# Altium PCB PCB-Tester-Board-V1.PcbDoc (part 3 of 7) (continued)
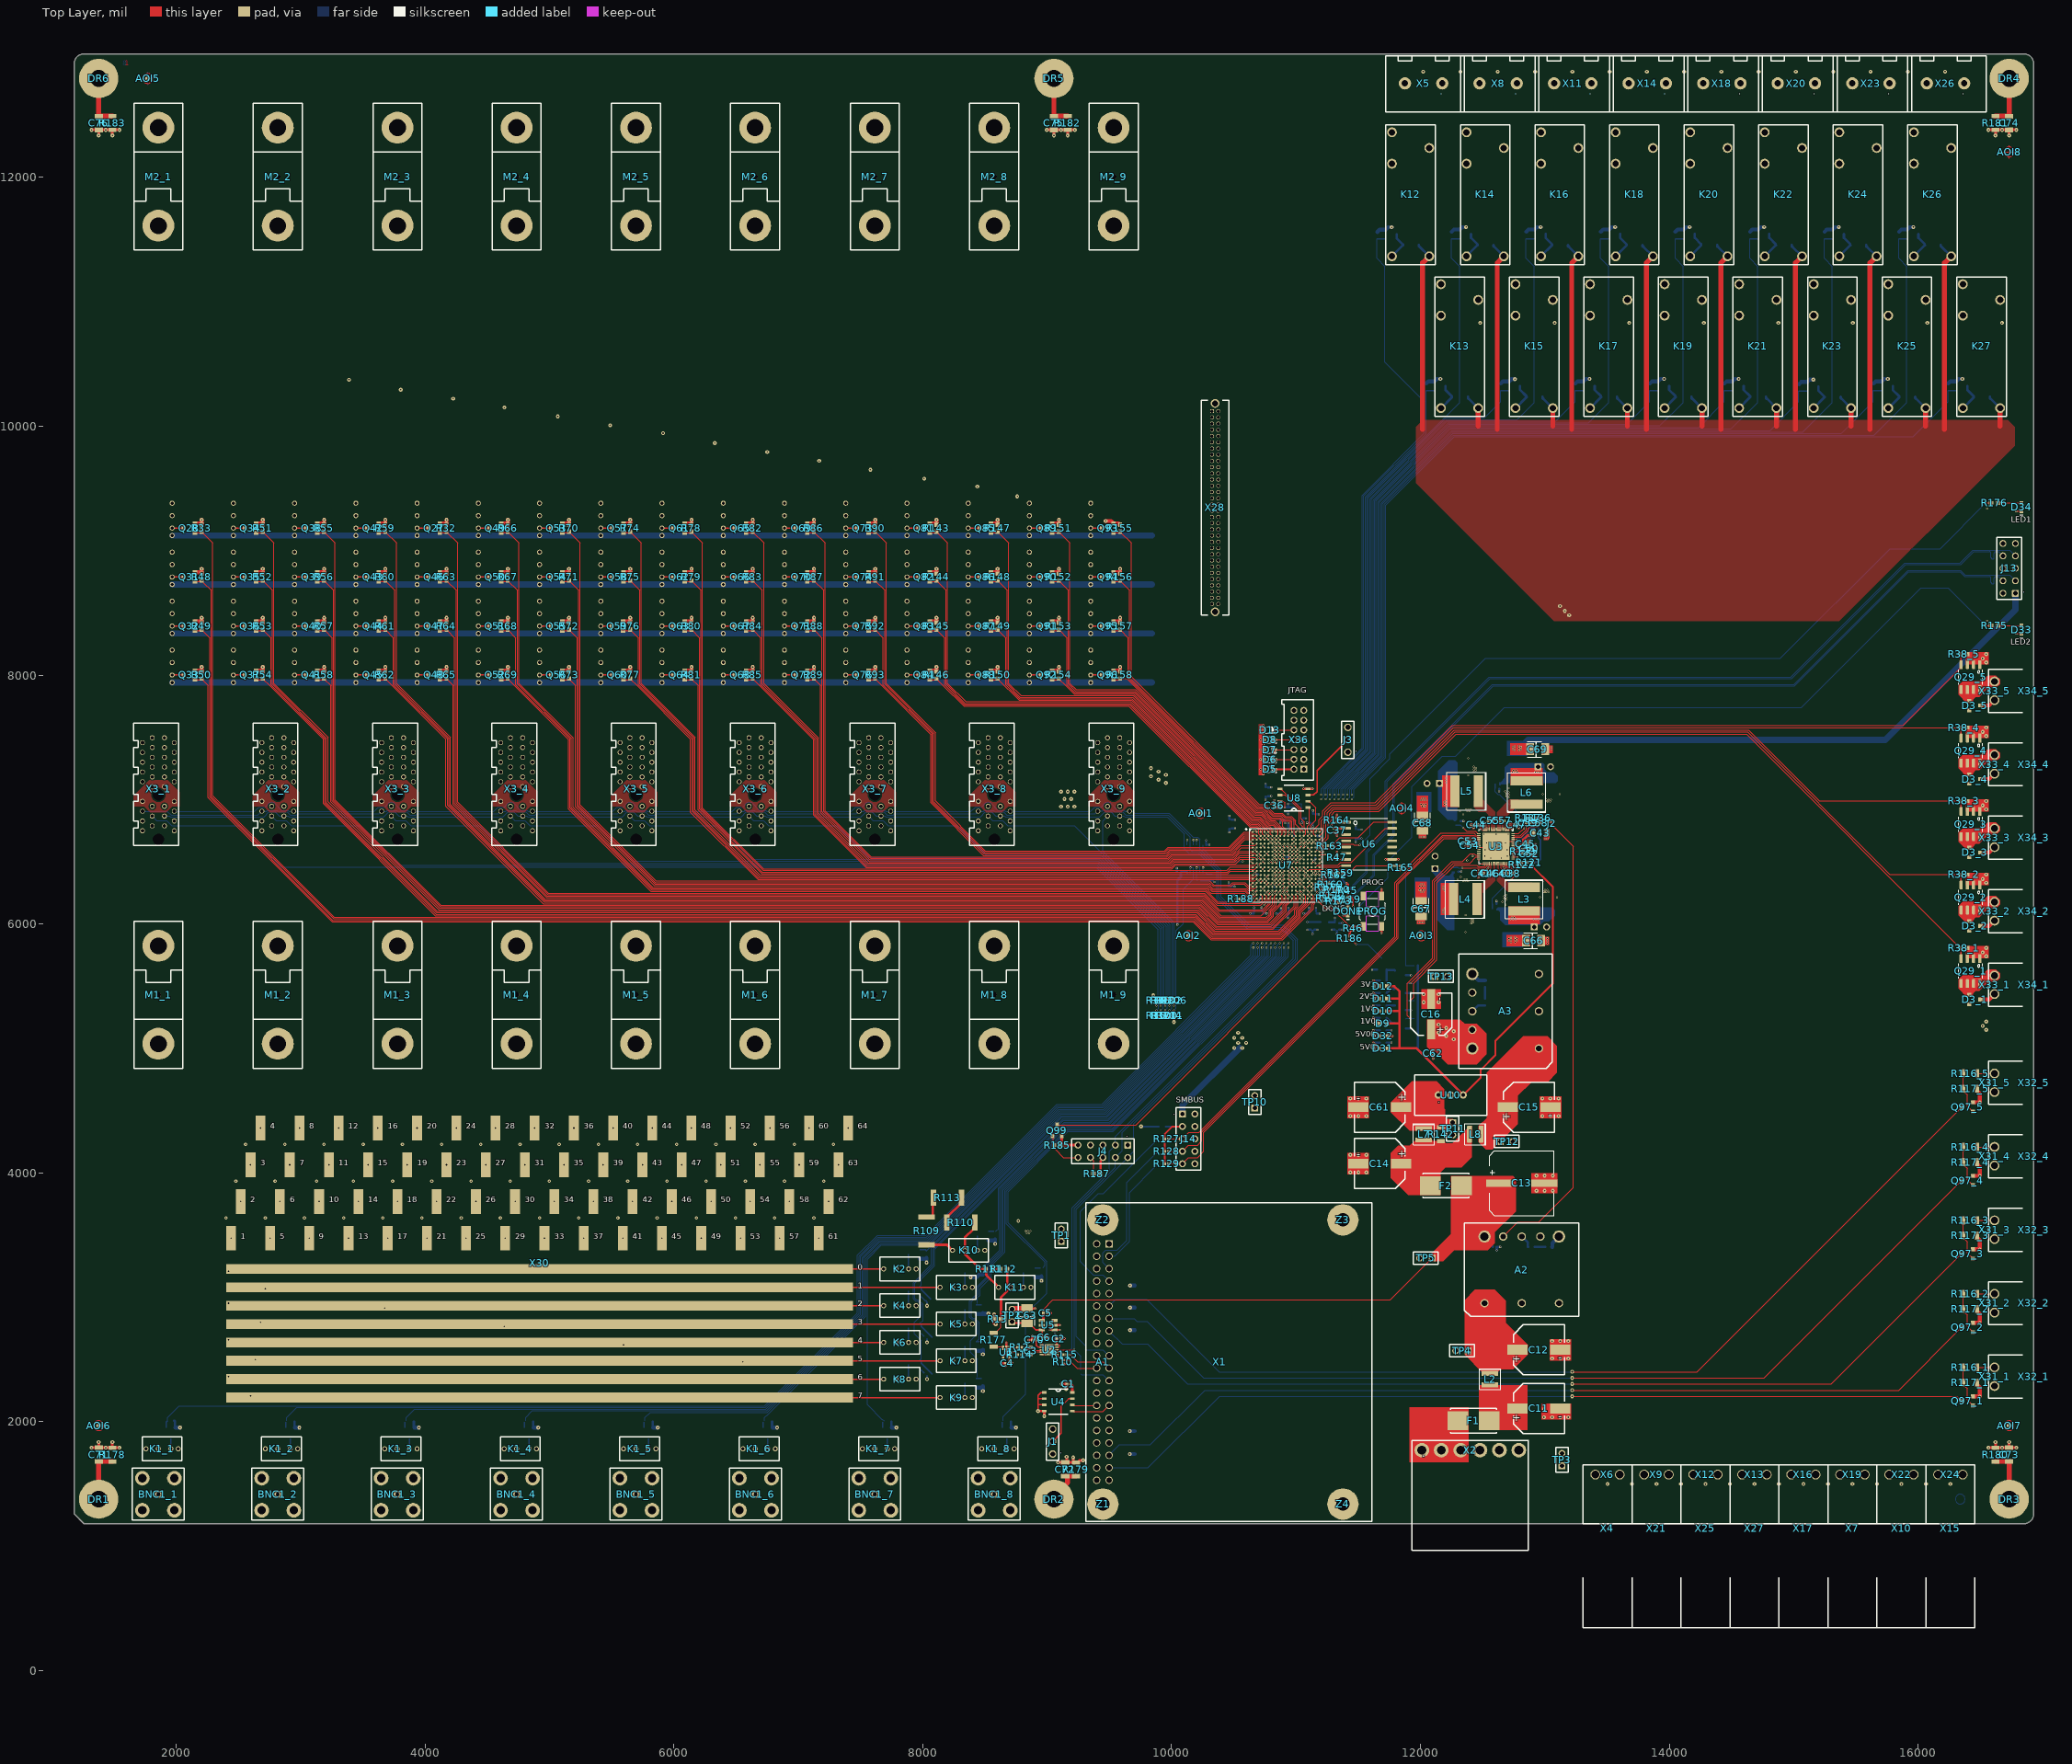
[diagram p0: Top Layer view]
## Nets (pads, with @x,y where several pads share a name; then routed paths per layer and width w, separated by ;. In a path a pad name is that pad's centre, name@x,y a point inside that pad or via, vN(x,y) a via of type N, cw(c..) or ccw(c..) an arc to the next point about the centre after c; other vN are vias at no path point) (continued)
  Bottom Layer w20: U9.3@9057.46,2660.81 9074.35,2677.7 v1(9074.35,2694.49) ; v1(10047.24,5995.76) 10047.24,6350.61 10074.8,6378.17 C77.1@10074.8,6411.42
  Bottom Layer w31.5: v2(9664.43,1740.55) 9703.8,1740.55 ; v2(9664.43,1925.2) 9703.8,1925.2 ; v2(9665.97,2736.22) R166_3.2@9705.34,2736.22 ; v2(9665.97,2917.32) R166_4.2@9705.34,2917.32 ; v2(9665.97,3095.74) R166_5.2@9705.34,3095.74
5V0: C4.1 D9.1 D10.1 D11.1 D12.1 D31.1 R120.2 R121.2 R124.2 R125.2 R131.2 R132.2 R138.2 R139.2 TP10.1 U1.5 U10.3 X1.2 X1.4 | length 5481.2
  Top Layer w15: U10.3@12344.09,4625.98 12484.97,4766.86 12484.97,4828.82 12603,4946.85 12603,5059.7 13064.67,5521.36 13064.67,6299.39 12890.61,6473.44 12890.61,6495.21 R121.2@12889.76,6496.06 v1@12914.37,6496.06
  Top Layer w18.5: C4.1@8696.85,2470.47 U1.5@8696.85,2523.62 ; D31.1@11732.48,5000 11830.71,5000 ; D9.1@11732.48,5200 11830.71,5200 ; D10.1@11732.48,5300 11830.71,5300 ; D11.1@11732.48,5400 11830.71,5400 ; D12.1@11732.48,5500 11791.34,5500 11830.71,5460.63 11830.71,5000 ; U10.3@12344.09,4625.98 11970.08,5000 11830.71,5000
  Top Layer w20: C4.1@8702.39,2472.44 v1(8719.49,2472.44)
  Bottom Layer w15: v1(12914.37,6496.01) 12939.87,6496.01 12964.86,6521 12964.86,6676.88 R125.2@12948.82,6692.91 R132.2@12948.82,6732.28 R139.2@12948.82,6771.65
  Bottom Layer w18.5: R138.2@11980.32,5666.14 R131.2@11980.32,5524.41 R124.2@11980.32,5385.17 R120.2@11980.32,5240.16 11980.32,4989.76 U10.3@12344.09,4625.98
5V0_ref_3: C6.1 C63.1 TP2.1 U2.1 U5.6 | length 390.8
  Top Layer w8: U2.1@8956.69,2618.11 8958.72,2618.11 8960.63,2620.02 C6.1@8960.63,2677.17
  Top Layer w12: TP2.1@8717.99,2804.33 8729.01,2793.31 C63.1@8838.58,2793.31 8854.33,2793.31 8879.83,2767.81 8879.83,2767.49 8909.12,2738.19 U5.6@8956.69,2738.19 8960.63,2734.25 C6.1@8960.63,2677.17
5V0R: A3.7 A3.8 C16.1 C62.1 D14.2 D15.2 D16.2 D17.2 D18.2 D19.2 D20.2 D21.2 D22.2 D23.2 D24.2 D25.2 D26.2 D27.2 D28.2 D29.2 D32.1 K1_1.1 K1_2.1 K1_3.1 K1_4.1 K1_5.1 K1_6.1 K1_7.1 K1_8.1 K2.1 K3.1 K4.1 K5.1 K6.1 K7.1 K8.1 K9.1 K10.1 K11.1 K12.1 K13.1 K14.1 K15.1 K16.1 K17.1 K18.1 K19.1 K20.1 K21.1 K22.1 K23.1 K24.1 K25.1 K26.1 K27.1 K28.1 K29.1 K30.1 K31.1 K32.1 K33.1 K34.1 K35.1 K36.1 K37.1 K38.1 K39.1 K40.1 K41.1 K42.1 K43.1 K44.1 K45.1 K46.1 K47.1 K48.1 K49.1 K50.1 K51.1 K52.1 K53.1 K54.1 K55.1 K56.1 K57.1 K58.1 K59.1 K60.1 K61.1 K62.1 K63.1 K64.1 K65.1 K66.1 K67.1 K68.1 K69.1 K70.1 K71.1 K72.1 K73.1 K74.1 K75.1 K76.1 K77.1 K78.1 K79.1 K80.1 K81.1 K82.1 K83.1 K84.1 K85.1 K86.1 K87.1 K88.1 K89.1 K90.1 K91.1 TP13.1 X3_1.A7 X3_1.A8 X3_1.A9 X3_1.B7 X3_1.B8 X3_1.B9 X3_2.A7 X3_2.A8 X3_2.A9 X3_2.B7 X3_2.B8 X3_2.B9 X3_3.A7 X3_3.A8 X3_3.A9 X3_3.B7 X3_3.B8 X3_3.B9 X3_4.A7 X3_4.A8 X3_4.A9 X3_4.B7 X3_4.B8 X3_4.B9 X3_5.A7 X3_5.A8 X3_5.A9 X3_5.B7 X3_5.B8 X3_5.B9 X3_6.A7 X3_6.A8 X3_6.A9 X3_6.B7 X3_6.B8 X3_6.B9 X3_7.A7 X3_7.A8 X3_7.A9 X3_7.B7 X3_7.B8 X3_7.B9 X3_8.A7 X3_8.A8 X3_8.A9 X3_8.B7 X3_8.B8 X3_8.B9 X3_9.A7 X3_9.A8 X3_9.A9 X3_9.B7 X3_9.B8 X3_9.B9 | length 50013.7
  Top Layer w20: D32.1@11732.48,5100 v1(11775.75,5100)
  Top Layer w40: 12018.11,9976.38 12018.11,11312.6 K12.1@12071.65,11366.14 ; 12465.35,10002.36 K13.1@12465.35,10145.67 ; 12617.32,9976.38 12617.32,11312.6 K14.1@12670.87,11366.14 ; 13064.57,10002.36 K15.1@13064.57,10145.67 ; 13216.54,9976.38 13216.54,11312.6 K16.1@13270.08,11366.14 ; 13663.78,10002.36 K17.1@13663.78,10145.67 ; 13815.75,9976.38 13815.75,11312.6 K18.1@13869.29,11366.14 ; 14262.99,10002.36 K19.1@14262.99,10145.67 ; 14414.96,9976.38 14414.96,11312.6 K20.1@14468.5,11366.14 ; 14862.2,10002.36 K21.1@14862.2,10145.67 ; 15014.17,9976.38 15014.17,11312.6 K22.1@15067.72,11366.14 ; 15461.42,10002.36 K23.1@15461.42,10145.67 ; 15613.39,9976.38 15613.39,11312.6 K24.1@15666.93,11366.14 ; 16060.63,10002.36 K25.1@16060.63,10145.67 ; 16212.6,9976.38 16212.6,11312.6 K26.1@16266.14,11366.14 ; 16659.84,10002.36 K27.1@16659.84,10145.67
  Inner4 w100: A3.8@12417.32,5000 12830.94,5413.62 12830.94,5672.24 12889.52,5730.81 13038.2,5730.81 13200.79,5893.4 13200.79,8476.38 v2(13195.54,8481.62) v2(13161.42,8515.75) v2(13122.05,8555.12)
  Bottom Layer w20: D14.2@11988.19,11456.69 11988.19,11446.29 11991.78,11442.7 11995.1,11442.7 K12.1@12071.65,11366.14 ; D15.2@12381.89,10236.22 12381.89,10225.82 12385.48,10222.22 12388.8,10222.22 K13.1@12465.35,10145.67 ; D16.2@12587.4,11456.69 12587.4,11446.29 12591,11442.7 12594.31,11442.7 K14.1@12670.87,11366.14 ; D17.2@12981.1,10236.22 12981.1,10225.82 12984.7,10222.22 12988.01,10222.22 K15.1@13064.57,10145.67 ; D18.2@13186.61,11456.69 13186.61,11446.29 13190.21,11442.7 13193.52,11442.7 K16.1@13270.08,11366.14 ; D19.2@13580.32,10236.22 13580.32,10225.82 13583.91,10222.22 13587.22,10222.22 K17.1@13663.78,10145.67 ; D20.2@13785.83,11456.69 13785.83,11446.29 13789.42,11442.7 13792.74,11442.7 K18.1@13869.29,11366.14 ; D21.2@14179.53,10236.22 14179.53,10225.82 14183.12,10222.22 14186.44,10222.22 K19.1@14262.99,10145.67 ; D22.2@14385.04,11456.69 14385.04,11446.29 14388.63,11442.7 14391.95,11442.7 K20.1@14468.5,11366.14 ; D23.2@14778.74,10236.22 14778.74,10225.82 14782.33,10222.22 14785.65,10222.22 K21.1@14862.2,10145.67 ; D24.2@14984.25,11456.69 14984.25,11446.29 14987.85,11442.7 14991.16,11442.7 K22.1@15067.72,11366.14 ; D25.2@15377.95,10236.22 D25.2@15377.95,10231.02 15377.95,10225.82 15381.55,10222.22 15384.86,10222.22 K23.1@15461.42,10145.67 ; D26.2@15583.46,11456.69 15583.46,11446.29 15587.06,11442.7 15590.37,11442.7 K24.1@15666.93,11366.14 ; D27.2@15977.17,10236.22 15977.17,10225.82 15980.76,10222.22 15984.07,10222.22 K25.1@16060.63,10145.67 ; D28.2@16182.68,11456.69 16182.68,11446.29 16186.27,11442.7 16189.59,11442.7 K26.1@16266.14,11366.14 ; D29.2@16576.38,10236.22 16576.38,10225.82 16579.97,10222.22 16583.29,10222.22 K27.1@16659.84,10145.67
  Bottom Layer w50: K31.1@1968.5,7940.87 K35.1@2460.63,7940.87 K39.1@2952.76,7940.87 K43.1@3444.88,7940.87 K47.1@3937.01,7940.87 K51.1@4429.13,7940.87 K55.1@4921.26,7940.87 K59.1@5413.39,7940.87 K63.1@5905.51,7940.87 K67.1@6397.64,7940.87 K71.1@6889.76,7940.87 K75.1@7381.89,7940.87 K79.1@7874.02,7940.87 K83.1@8366.14,7940.87 K87.1@8858.27,7940.87 K91.1@9350.39,7940.87 9842.52,7940.87 ; K30.1@1968.5,8334.57 K34.1@2460.63,8334.57 K38.1@2952.76,8334.57 K42.1@3444.88,8334.57 K46.1@3937.01,8334.57 K50.1@4429.13,8334.57 K54.1@4921.26,8334.57 K58.1@5413.39,8334.57 K62.1@5905.51,8334.57 K66.1@6397.64,8334.57 K70.1@6889.76,8334.57 K74.1@7381.89,8334.57 K78.1@7874.02,8334.57 K82.1@8366.14,8334.57 K86.1@8858.27,8334.57 K90.1@9350.39,8334.57 9842.52,8334.57 ; K29.1@1968.5,8728.27 K33.1@2460.63,8728.27 K37.1@2952.76,8728.27 K41.1@3444.88,8728.27 K45.1@3937.01,8728.27 K49.1@4429.13,8728.27 K53.1@4921.26,8728.27 K57.1@5413.39,8728.27 K61.1@5905.51,8728.27 K65.1@6397.64,8728.27 K69.1@6889.76,8728.27 K73.1@7381.89,8728.27 K77.1@7874.02,8728.27 K81.1@8366.14,8728.27 K85.1@8858.27,8728.27 K89.1@9350.39,8728.27 9842.52,8728.27 ; K28.1@1968.5,9121.97 K32.1@2460.63,9121.97 K36.1@2952.76,9121.97 K40.1@3444.88,9121.97 K44.1@3937.01,9121.97 K48.1@4429.13,9121.97 K52.1@4921.26,9121.97 K56.1@5413.39,9121.97 K60.1@5905.51,9121.97 K64.1@6397.64,9121.97 K68.1@6889.76,9121.97 K72.1@7381.89,9121.97 K76.1@7874.02,9121.97 K80.1@8366.14,9121.97 K84.1@8858.27,9121.97 K88.1@9350.39,9121.97 9842.52,9121.97
  other v1: 8837.46,3515.5 8856.46,3515.5 8827.46,3531.5 8846.46,3531.5 8865.46,3531.5
  other v2: 12268.46,5073.58 12207.84,5100.24 12147.23,5126.89 12268.46,5138.58 12207.84,5165.24 12147.23,5191.89 9955.87,7133.66 9895.26,7160.31 9834.65,7186.97 9955.87,7198.66 9895.26,7225.31 9834.65,7251.97
12V0: A2.8 C5.1 C7.1 C8.1 C13.1 C18.1 C19.1 C20.1 C21.1 C22.1 C23.1 C38.1 C39.1 C41.1 C43.1 C44.1 C45.1 C47.1 F2.1 J2.1 J14.1 TP5.1 U3.1 U3.12 U3.32 U3.39 U3.49 U5.4 X3_1.A11 X3_1.A12 X3_1.B11 X3_1.B12 X3_2.A11 X3_2.A12 X3_2.B11 X3_2.B12 X3_3.A11 X3_3.A12 X3_3.B11 X3_3.B12 X3_4.A11 X3_4.A12 X3_4.B11 X3_4.B12 X3_5.A11 X3_5.A12 X3_5.B11 X3_5.B12 X3_6.A11 X3_6.A12 X3_6.B11 X3_6.B12 X3_7.A11 X3_7.A12 X3_7.B11 X3_7.B12 X3_8.A11 X3_8.A12 X3_8.B11 X3_8.B12 X3_9.A11 X3_9.A12 X3_9.B11 X3_9.B12 | length 4542.3
  Top Layer w8: C5.1@8970.47,2874.02 8970.47,2903.54 9047.24,2980.32 11759.84,2980.32 TP5.1@12094.49,3314.96
  Top Layer w8.66: v1(12544.97,6450.97) 12553.15,6459.15 U3.32@12553.15,6486.22 ; U3.39@12663.39,6486.22 12663.39,6459.15 v1(12671.56,6450.97) ; U3.49@12746.06,6616.14 12784.78,6616.14 12796.2,6627.56
  Top Layer w10: v1(13034.5,6819.37) J2.1@13056,6819.37
  Top Layer w15: 12511,6422 12521.66,6432.66 12526.66,6432.66 ; v1@12694.88,6432.66 12705.54,6422 ; 12796.2,6627.56 12809.01,6640.37 12825.41,6640.37 C45.1@12828.74,6643.7
  Top Layer w16: 12526.66,6432.66 v1(12544.97,6450.97) ; v1(12671.56,6450.97) 12689.88,6432.66
  Top Layer w20: U5.4@8956.69,2812.99 8968.27,2812.99 8970.47,2815.2 C5.1@8970.47,2874.02 ; C45.1@12828.74,6643.7 12828.74,6678.74 12862.47,6712.46 12898.78,6712.46 12907.48,6721.17 C43.1@12907.48,6732.28
  Bottom Layer w20: C39.1@12581.85,3406.34 C39.1@12582.68,3405.51
  Bottom Layer w50: J14.1@10087.8,4473.23 10087.8,4544.87 10547.24,5004.32
  other v1: 12498,6433 12516,6433 12700.54,6433 12718.54,6433 12532.48,6437.96 12684.06,6437.96 12875,6712 12498.03,6788.75 12516.73,6788.75 12699.8,6788.75 12718.5,6788.75 12498.03,6811.02 12517,6811.02 12699.54,6811.02 12718.5,6811.02
  other v2: 10504.23,5004.32 10569.23,5004.32 10534.53,5044.87 10599.53,5044.87 10504.23,5085.41 10569.23,5085.41 10534.53,5125.96 9112.95,6943.32 9166.26,6943.32 9219.57,6943.32 9139.61,7003.94 9192.91,7003.94 9112.95,7064.55 9166.26,7064.55 9219.57,7064.55
24V0: D3_1.3 D3_2.3 D3_3.3 D3_4.3 D3_5.3 F1.1 TP3.1 X2.1 X2.2 X2.3 X31_1.1 X31_2.1 X31_3.1 X31_4.1 X31_5.1 X33_1.1 X33_2.1 X33_3.1 X33_4.1 X33_5.1 | length 650.3
  Top Layer w31.5: D3_1.3@16501.97,5393.7 16571.06,5393.7 X33_1.1@16614.17,5436.81 ; D3_2.3@16501.97,5984.25 16571.06,5984.25 X33_2.1@16614.17,6027.36 ; D3_3.3@16501.97,6574.8 16571.06,6574.8 X33_3.1@16614.17,6617.91 ; D3_4.3@16501.97,7165.35 16571.06,7165.35 X33_4.1@16614.17,7208.46 ; D3_5.3@16501.97,7755.91 16571.06,7755.91 X33_5.1@16614.17,7799.02
\CS0: R10.1 U2.6 X1.22 | length 373.8
  Top Layer w6: U2.6@9074.8,2539.37 9083.09,2539.37 9085.99,2536.46 9085.99,2528.18 9111.84,2502.33 9121.68,2502.33 R10.1@9127.95,2496.06 9175.28,2496.06 9241.03,2430.32 X1.22@9398.57,2430.32
\CS1: R11.1 U11.1 U11.4 U11.10 U11.12 U11.13 X1.33 | length 5553.4
  Top Layer w6: R11.1@10019.14,5279.06 v1(10019.14,5307.36)
  Inner5 w6: X1.33@9498.57,1830.32 9973.48,2305.23 9973.48,2668.61 9973.49,5246.27 10019.14,5291.92 v1(10019.14,5307.36) ; v1(10151.57,6453.59) 10151.57,6650.44 v1(10125.98,6676.03) 10145.99,6696.03 10182.75,6696.03 v1(10202.76,6676.03)
  Bottom Layer w6: v1(10019.14,5307.36) 10036.72,5324.94 10036.72,5946.23 10094.15,6003.66 10094.15,6279.41 10177.17,6362.42 U11.12@10177.17,6411.42 10177.17,6443.95 10167.53,6453.59 v1(10151.57,6453.59) ; U11.1@10125.98,6633.86 v1(10125.98,6676.03) ; U11.13@10151.57,6411.42 v1(10151.57,6453.59) ; U11.4@10202.76,6633.86 v1(10202.76,6676.03) ; U11.10@10228.35,6411.42 10228.35,6458.62 10211.4,6475.57 10160.25,6475.57 10151.57,6466.89 v1(10151.57,6453.59)
\CS2_1: R34.1 X1.8 X3_1.B15 | length 11561.5
  Top Layer w6: v1(9878.5,5342.52) R34.1@9878.5,5370.82
  Inner5 w6: X1.8@9398.57,3130.32 9450.76,3182.5 9450.76,3352.33 9477.49,3379.07 9545.56,3379.07 9861.16,3694.67 9861.16,5325.18 v1(9878.5,5342.52)
  Bottom Layer w6: X3_1.B15@1808.56,6867.24 1844.41,6831.39 1923.88,6831.39 1966.44,6788.84 2517.04,6788.84 2849.33,6456.56 9393.23,6456.56 9893.56,5956.23 9893.56,5401.63 9878.5,5386.57 v1(9878.5,5342.52)
\CS3_1: R35.1 X1.10 X3_2.B15 | length 10749.7
  Top Layer w6: R35.1@9878.5,5279.06 v1(9878.5,5307.36)
  Inner5 w6: X1.10@9398.57,3030.32 9450.76,3082.5 9450.76,3159.84 9472.21,3181.3 9577.01,3181.3 9874.04,3478.33 9874.04,5287.46 9878.5,5291.92 v1(9878.5,5307.36)
  Bottom Layer w6: X3_2.B15@2768.21,6867.24 2804.06,6831.39 2883.53,6831.39 2926.08,6788.84 3476.69,6788.84 3793.06,6472.47 9399.81,6472.47 9909.46,5962.82 9909.46,5395.49 9896.08,5382.1 9896.08,5324.94 v1(9878.5,5307.36)
\CS4_1: R36.1 X1.12 X3_3.B15 | length 9913.6
  Top Layer w6: v1(9913.66,5342.52) R36.1@9913.66,5370.82
  Inner5 w6: X1.12@9398.57,2930.32 9450.76,2982.5 9450.76,3059.84 9473.42,3082.5 9577.64,3082.5 9886.02,3390.89 9886.02,5282.49 9896.08,5292.55 9896.08,5324.94 v1(9913.66,5342.52)
  Bottom Layer w6: X3_3.B15@3730.32,6867.24 3766.16,6831.39 3845.64,6831.39 3888.19,6788.84 4438.79,6788.84 4739.26,6488.37 9406.4,6488.37 9925.37,5969.4 9925.37,5389.67 9913.66,5377.96 v1(9913.66,5342.52)
\CS5_1: R37.1 X1.16 X3_4.B15 | length 9180.8
  Top Layer w6: R37.1@9913.66,5279.06 v1(9913.66,5307.36)
  Inner5 w6: X1.16@9398.57,2730.32 9450.76,2782.5 9450.76,2859.84 9473.42,2882.5 9574.24,2882.5 9622.05,2930.32 9898.9,3207.17 9898.9,5277.16 9913.66,5291.92 v1(9913.66,5307.36)
  Bottom Layer w6: X3_4.B15@4687.5,6867.24 4723.35,6831.39 4802.82,6831.39 4845.37,6788.84 5395.98,6788.84 5680.54,6504.28 9412.99,6504.28 9941.28,5975.99 9941.28,5384.11 9931.24,5374.07 9931.24,5324.94 v1(9913.66,5307.36)
\CS6_1: R98.1 X1.18 X3_5.B15 | length 8348.5
  Top Layer w6: v1(9948.82,5342.52) R98.1@9948.82,5370.82
  Inner5 w6: X1.18@9398.57,2630.32 9450.76,2682.5 9553.36,2682.5 9910.88,3040.03 9910.89,5272.2 9931.24,5292.55 9931.24,5324.94 v1(9948.82,5342.52)
  Bottom Layer w6: X3_5.B15@5647.15,6867.24 5682.99,6831.39 5762.47,6831.39 5805.02,6788.84 6355.62,6788.84 6624.28,6520.19 9419.58,6520.19 9957.18,5982.58 9957.18,5379.38 9948.82,5371.02 v1(9948.82,5342.52)
\CS7_1: R100.1 X1.24 X3_6.B15 | length 7707.2
  Top Layer w6: R100.1@9948.82,5279.06 v1(9948.82,5307.36)
  Inner5 w6: X1.24@9398.57,2330.32 9450.76,2382.5 9535.49,2382.5 9923.76,2770.77 9923.76,5266.86 9948.82,5291.92 v1(9948.82,5307.36)
  Bottom Layer w6: X3_6.B15@6604.33,6867.24 6640.18,6831.39 6719.65,6831.39 6762.2,6788.84 7312.81,6788.84 7565.56,6536.09 9426.17,6536.09 9973.09,5989.17 9973.09,5372.74 9966.4,5366.05 9966.4,5324.94 v1(9948.82,5307.36)
\CS8_1: R102.1 X1.26 X3_7.B15 | length 6871.7
  Top Layer w6: v1(9983.98,5342.52) R102.1@9983.98,5370.82
  Inner5 w6: X1.26@9398.57,2230.32 9450.76,2282.5 9535.81,2282.5 9935.75,2682.44 9935.75,5261.9 9966.4,5292.55 9966.4,5324.94 v1(9983.98,5342.52)
  Bottom Layer w6: X3_7.B15@7566.44,6867.24 7602.28,6831.39 7681.76,6831.39 7724.31,6788.84 8274.92,6788.84 8511.76,6552 9432.76,6552 9989,5995.76 9989,5367.16 9983.98,5362.14 v1(9983.98,5342.52)
\CS9_1: R104.1 X1.29 X3_8.B15 | length 6048.4
  Top Layer w6: R104.1@9983.98,5279.06 v1(9983.98,5307.36)
  Inner5 w6: X1.29@9498.57,2030.32 9948.62,2480.37 9948.62,2668.61 9948.62,5256.56 9983.98,5291.92 v1(9983.98,5307.36)
  Bottom Layer w6: X3_8.B15@8526.08,6867.24 8561.93,6831.39 8641.4,6831.39 8683.96,6788.84 9218.41,6788.84 10004.91,6002.35 10004.91,5358.76 10002.28,5356.13 10002.28,5323.39 v1@9984.7,5305.81
\CS10_1: R106.1 X1.31 X3_9.B15 | length 5435.2
  Top Layer w6: v1@10019.98,5343.36 R106.1@10019.98,5371.66
  Inner5 w6: X1.31@9498.57,1930.32 9960.61,2392.36 9960.61,2668.61 9960.61,5251.6 10001.56,5292.55 10001.56,5324.94 v1(10019.14,5342.52)
  Bottom Layer w6: X3_9.B15@9485.75,6867.24 9447.05,6828.55 9447.05,6582.7 10020.81,6008.94 10020.81,5344.19 v1(10019.14,5342.52)
ABUS0: K1_1.4 K2.4 X3_1.A5 X3_2.A5 X3_3.A5 X3_4.A5 X3_5.A5 X3_6.A5 X3_7.A5 X3_8.A5 X3_9.A5 X30.ABUS0 | length 17236.7
  Top Layer w10: X30.ABUS0@4921.26,3228.35 K2.4@7687.01,3228.35
  Inner2 w10: K1_1.4@1757.78,1782.32 1757.78,2545.18 v2(2421.26,3208.66)
  Inner5 w8: v2(2421.26,3208.66) 2421.26,3401.89 1531.86,4291.29 1531.86,7215.95 1655.59,7339.68 1752.18,7339.68 1791.16,7300.71 1868.01,7300.71 X3_1.A5@1906.99,7339.68 2711.83,7339.68 2750.8,7300.71 2827.66,7300.71 X3_2.A5@2866.63,7339.68 3671.47,7339.68 3710.45,7300.71 3787.3,7300.71 X3_3.A5@3826.28,7339.68 ; X3_3.A5@3828.74,7339.68 4633.58,7339.68 4672.56,7300.71 4749.41,7300.71 X3_4.A5@4788.39,7339.68 ; X3_4.A5@4785.93,7339.68 X3_4.A5@4788.39,7339.68 ; X3_6.A5@6702.76,7339.68 X3_6.A5@6705.22,7339.68 ; X3_7.A5@7662.4,7339.68 7623.43,7300.71 7546.57,7300.71 7507.6,7339.68 X3_6.A5@6705.22,7339.68 ; X3_7.A5@7664.86,7339.68 8469.7,7339.68 8508.68,7300.71 8585.53,7300.71 X3_8.A5@8624.51,7339.68 9429.35,7339.68 9468.32,7300.71 9545.18,7300.71 X3_9.A5@9584.17,7339.68 ; X3_4.A5@4788.39,7339.68 5590.77,7339.68 5629.74,7300.71 5706.59,7300.71 X3_5.A5@5745.57,7339.68 6550.41,7339.68 6589.39,7300.71 6666.24,7300.71 X3_6.A5@6705.22,7339.68
ABUS1: K1_2.4 K3.4 X3_1.B5 X3_2.B5 X3_3.B5 X3_4.B5 X3_5.B5 X3_6.B5 X3_7.B5 X3_8.B5 X3_9.B5 X30.ABUS1 | length 17370.3
  Top Layer w10: X30.ABUS1@4921.26,3080.71 K3.4@8139.76,3080.71 K3.4@8140.23,3080.71
  Inner2 w8: v2(2717.42,3069.98) 2717.42,3132.97 1551.13,4299.27 1551.13,7207.97 1682.84,7339.68 X3_1.B5@1808.56,7339.68 1847.54,7300.71 1924.39,7300.71 1963.37,7339.68 X3_2.B5@2768.21,7339.68 2807.18,7300.71 2884.04,7300.71 2923.01,7339.68 X3_3.B5@3727.85,7339.68 ; X3_3.B5@3730.32,7339.68 3769.29,7300.71 3846.14,7300.71 3885.12,7339.68 X3_4.B5@4687.5,7339.68 4726.48,7300.71 4803.33,7300.71 4842.31,7339.68 X3_5.B5@5647.15,7339.68 5686.12,7300.71 5762.97,7300.71 5801.95,7339.68 X3_6.B5@6604.33,7339.68 6643.31,7300.71 6720.16,7300.71 6759.14,7339.68 X3_7.B5@7563.98,7339.68 ; X3_7.B5@7566.44,7339.68 7605.41,7300.71 7682.27,7300.71 7721.24,7339.68 X3_8.B5@8526.08,7339.68 8565.06,7300.71 8641.91,7300.71 8680.89,7339.68 X3_9.B5@9485.75,7339.68
  Inner2 w10: K1_2.4@2717.42,1782.32 v2(2717.42,3069.98)
ABUS2: K1_3.4 K4.4 X3_1.A4 X3_2.A4 X3_3.A4 X3_4.A4 X3_5.A4 X3_6.A4 X3_7.A4 X3_8.A4 X3_9.A4 X30.ABUS2 | length 17064.7
  Top Layer w10: X30.ABUS2@4921.26,2933.07 K4.4@7687.01,2933.07
  Inner2 w10: K1_3.4@3677.07,1782.32 v2(3677.07,2913.39)
  Inner5 w8: v2(2421.26,2952.76) 2381.89,2992.13 2381.89,3385.58 1492.49,4274.98 1492.49,7232.26 1676.49,7416.26 1756.35,7416.26 1793.56,7379.05 X3_1.A4@1985.73,7379.05 2622.79,7379.05 2660,7416.26 2716,7416.26 2753.21,7379.05 X3_2.A4@2945.37,7379.05 3582.44,7379.05 3619.65,7416.26 3675.65,7416.26 3712.85,7379.05 X3_3.A4@3905.02,7379.05 ; X3_3.A4@3907.48,7379.05 4544.54,7379.05 4581.75,7416.26 4637.75,7416.26 4674.96,7379.05 X3_4.A4@4864.67,7379.05 5501.73,7379.05 5538.94,7416.26 5594.94,7416.26 5632.14,7379.05 X3_5.A4@5824.31,7379.05 6461.37,7379.05 6498.58,7416.26 6554.58,7416.26 6591.79,7379.05 X3_6.A4@6781.5,7379.05 7418.56,7379.05 7455.77,7416.26 7511.77,7416.26 7548.98,7379.05 X3_7.A4@7741.14,7379.05 ; X3_7.A4@7743.6,7379.05 8380.67,7379.05 8417.87,7416.26 8473.87,7416.26 8511.08,7379.05 X3_8.A4@8703.25,7379.05 9340.31,7379.05 9377.52,7416.26 9433.52,7416.26 9470.73,7379.05 X3_9.A4@9662.91,7379.05
ABUS3: K1_4.4 K5.4 X3_1.B4 X3_2.B4 X3_3.B4 X3_4.B4 X3_5.B4 X3_6.B4 X3_7.B4 X3_8.B4 X3_9.B4 X30.ABUS3 | length 17310.6
  Top Layer w10: X30.ABUS3@4921.26,2785.43 K5.4@8139.76,2785.43 K5.4@8140.17,2785.43
  Inner2 w8: v2(2678.05,2799.21) 2678.05,3116.66 1511.76,4282.96 1511.76,7224.28 1666.53,7379.05 X3_1.B4@1729.82,7379.05 1921.99,7379.05 1959.2,7416.26 2015.2,7416.26 2052.4,7379.05 X3_2.B4@2689.47,7379.05 2881.63,7379.05 2918.84,7416.26 2974.84,7416.26 3012.05,7379.05 X3_3.B4@3649.11,7379.05 ; X3_3.B4@3651.57,7379.05 3843.74,7379.05 3880.95,7416.26 3936.95,7416.26 3974.16,7379.05 X3_4.B4@4608.76,7379.05 4800.93,7379.05 4838.13,7416.26 4894.13,7416.26 4931.34,7379.05 X3_5.B4@5568.41,7379.05 5760.57,7379.05 5797.78,7416.26 5853.78,7416.26 5890.99,7379.05 X3_6.B4@6525.59,7379.05 6717.76,7379.05 6754.96,7416.26 6810.96,7416.26 6848.17,7379.05 X3_7.B4@7485.24,7379.05 ; X3_7.B4@7487.7,7379.05 7679.86,7379.05 7717.07,7416.26 7773.07,7416.26 7810.28,7379.05 X3_8.B4@8447.34,7379.05 8639.51,7379.05 8676.72,7416.26 8732.72,7416.26 8769.92,7379.05 X3_9.B4@9407.01,7379.05
  Inner2 w10: K1_4.4@4636.71,1782.32 v2(4636.71,2764.86)
ABUS4: K1_5.4 K6.4 X3_1.A3 X3_2.A3 X3_3.A3 X3_4.A3 X3_5.A3 X3_6.A3 X3_7.A3 X3_8.A3 X3_9.A3 X30.ABUS4 | length 17377.2
  Top Layer w10: X30.ABUS4@4921.26,2637.8 K6.4@7687.01,2637.8
  Inner2 w10: K1_5.4@5596.36,1782.32 v2(5596.36,2618.11)
  Inner5 w8: v2(2421.26,2657.48) 2342.52,2736.22 2342.52,3369.28 1453.12,4258.67 1453.12,7248.57 1701.72,7497.16 1748.19,7497.16 1787.56,7457.79 1824.14,7457.79 1863.51,7418.42 X3_1.A3@1906.99,7418.42 2592.71,7418.42 2671.45,7497.16 2707.84,7497.16 2747.21,7457.79 2783.78,7457.79 2823.15,7418.42 X3_2.A3@2866.63,7418.42 3552.36,7418.42 3631.1,7497.16 3667.48,7497.16 3706.85,7457.79 3743.43,7457.79 3782.8,7418.42 X3_3.A3@3826.28,7418.42 ; X3_3.A3@3828.74,7418.42 4514.46,7418.42 4593.2,7497.16 4629.59,7497.16 4668.96,7457.79 4705.54,7457.79 4744.91,7418.42 X3_4.A3@4785.93,7418.42 5471.65,7418.42 5550.39,7497.16 5586.77,7497.16 5626.14,7457.79 5662.72,7457.79 5702.09,7418.42 X3_5.A3@5745.57,7418.42 6431.3,7418.42 6510.04,7497.16 6546.42,7497.16 6585.79,7457.79 6622.37,7457.79 6661.74,7418.42 X3_6.A3@6702.76,7418.42 7388.48,7418.42 7467.22,7497.16 7503.61,7497.16 7542.98,7457.79 7579.55,7457.79 7618.92,7418.42 X3_7.A3@7662.4,7418.42 ; X3_7.A3@7664.86,7418.42 8350.59,7418.42 8429.33,7497.16 8465.71,7497.16 8505.08,7457.79 8541.66,7457.79 8581.03,7418.42 X3_8.A3@8624.51,7418.42 9310.23,7418.42 9388.97,7497.16 9425.36,7497.16 9464.73,7457.79 9501.3,7457.79 9540.67,7418.42 X3_9.A3@9584.17,7418.42
ABUS5: K1_6.4 K7.4 X3_1.B3 X3_2.B3 X3_3.B3 X3_4.B3 X3_5.B3 X3_6.B3 X3_7.B3 X3_8.B3 X3_9.B3 X30.ABUS5 | length 17744.1
  Top Layer w10: X30.ABUS5@4921.26,2490.16 K7.4@8139.76,2490.16
  Inner2 w8: v2(2638.68,2500) 2638.68,3100.36 1472.39,4266.65 1472.39,7240.59 1650.22,7418.42 X3_1.B3@1808.56,7418.42 1852.04,7418.42 1891.41,7457.79 1927.99,7457.79 1967.36,7497.16 2003.74,7497.16 2082.48,7418.42 X3_2.B3@2768.21,7418.42 2811.69,7418.42 2851.06,7457.79 2887.63,7457.79 2927,7497.16 2963.39,7497.16 3042.13,7418.42 X3_3.B3@3727.85,7418.42 ; X3_3.B3@3730.32,7418.42 3773.79,7418.42 3813.16,7457.79 3849.74,7457.79 3889.11,7497.16 3925.5,7497.16 4004.24,7418.42 X3_4.B3@4687.5,7418.42 4730.98,7418.42 4770.35,7457.79 4806.93,7457.79 4846.3,7497.16 4882.68,7497.16 4961.42,7418.42 X3_5.B3@5647.15,7418.42 5690.63,7418.42 5730,7457.79 5766.57,7457.79 5805.94,7497.16 5842.33,7497.16 5921.07,7418.42 X3_6.B3@6604.33,7418.42 6647.81,7418.42 6687.18,7457.79 6723.76,7457.79 6763.13,7497.16 6799.51,7497.16 6878.25,7418.42 X3_7.B3@7563.98,7418.42 ; X3_7.B3@7566.44,7418.42 7609.92,7418.42 7649.29,7457.79 7685.86,7457.79 7725.23,7497.16 7761.62,7497.16 7840.36,7418.42 X3_8.B3@8526.08,7418.42 8569.56,7418.42 8608.93,7457.79 8645.51,7457.79 8684.88,7497.16 8721.26,7497.16 8800,7418.42 X3_9.B3@9485.75,7418.42
  Inner2 w10: K1_6.4@6556,1782.32 v2(6556,2480.32)
ABUS6: K1_7.4 K8.4 X3_1.A2 X3_2.A2 X3_3.A2 X3_4.A2 X3_5.A2 X3_6.A2 X3_7.A2 X3_8.A2 X3_9.A2 X30.ABUS6 | length 17654
  Top Layer w10: X30.ABUS6@4921.26,2342.52 K8.4@7687.01,2342.52
  Inner2 w10: K1_7.4@7515.65,1782.32 7515.65,2171.16 K8.4@7687.01,2342.52
  Inner5 w8: v2(2421.26,2362.2) 2303.15,2480.31 2303.15,3352.97 1413.75,4242.36 1413.75,7264.88 1688.88,7540 1814.82,7540 1897.03,7457.79 X3_1.A2@1985.73,7457.79 2580.19,7457.79 2662.39,7540 2774.46,7540 2856.67,7457.79 X3_2.A2@2945.37,7457.79 3539.83,7457.79 3622.04,7540 3734.11,7540 3816.32,7457.79 X3_3.A2@3905.02,7457.79 ; X3_3.A2@3907.48,7457.79 4501.94,7457.79 4584.15,7540 4696.22,7540 4778.42,7457.79 X3_4.A2@4864.67,7457.79 5459.12,7457.79 5541.33,7540 5653.4,7540 5735.61,7457.79 X3_5.A2@5824.31,7457.79 6418.77,7457.79 6500.98,7540 6613.05,7540 6695.25,7457.79 X3_6.A2@6781.5,7457.79 7375.95,7457.79 7458.16,7540 7570.23,7540 7652.44,7457.79 X3_7.A2@7741.14,7457.79 ; X3_7.A2@7743.6,7457.79 8338.06,7457.79 8420.27,7540 8532.34,7540 8614.55,7457.79 X3_8.A2@8703.25,7457.79 9297.71,7457.79 9379.91,7540 9491.98,7540 9574.19,7457.79 X3_9.A2@9662.91,7457.79
ABUS7: K1_8.4 K9.4 X3_1.B2 X3_2.B2 X3_3.B2 X3_4.B2 X3_5.B2 X3_6.B2 X3_7.B2 X3_8.B2 X3_9.B2 X30.ABUS7 | length 17898.5
  Top Layer w10: X30.ABUS7@4921.26,2194.88 K9.4@8139.76,2194.88
  Inner2 w8: v2(2599.31,2208.66) 2599.31,3084.05 1433.02,4250.34 1433.02,7256.9 1633.91,7457.79 X3_1.B2@1729.82,7457.79 1818.53,7457.79 1900.73,7540 2012.8,7540 2095.01,7457.79 X3_2.B2@2689.47,7457.79 2778.17,7457.79 2860.38,7540 2972.45,7540 3054.66,7457.79 X3_3.B2@3649.11,7457.79 ; X3_3.B2@3651.57,7457.79 3740.28,7457.79 3822.49,7540 3934.55,7540 4016.76,7457.79 X3_4.B2@4608.76,7457.79 4697.46,7457.79 4779.67,7540 4891.74,7540 4973.95,7457.79 X3_5.B2@5568.41,7457.79 5657.11,7457.79 5739.32,7540 5851.38,7540 5933.59,7457.79 X3_6.B2@6525.59,7457.79 6614.29,7457.79 6696.5,7540 6808.57,7540 6890.78,7457.79 X3_7.B2@7485.24,7457.79 ; X3_7.B2@7487.7,7457.79 7576.4,7457.79 7658.61,7540 7770.68,7540 7852.88,7457.79 X3_8.B2@8447.34,7457.79 8536.05,7457.79 8618.25,7540 8730.32,7540 8812.53,7457.79 X3_9.B2@9407.01,7457.79
  Inner2 w10: K9.4@8139.76,2194.88 8139.76,2117.85 K1_8.4@8475.3,1782.32
AVDD_3: C64.1 C70.1 U2.2 U9.2 | length 191.5
  Top Layer w11.81: C70.1@8913.39,2657.48 8913.39,2615.16 8930.12,2598.43 U2.2@8956.69,2598.43
  Top Layer w20: C70.1@8913.39,2657.48 8914.21,2658.31 8914.21,2672.5 v1(8925.93,2684.21)
  Bottom Layer w20: C64.1@8913.39,2657.48 8914.21,2658.31 8914.21,2672.5 v1(8925.93,2684.21) 8952.91,2684.21 U9.2@8958.66,2689.96
DRV1: Q1.1 R2.2 U7.T9 | length 4355.2
  Top Layer w6: v1(10889.76,6251.97) U7.T9@10905.51,6267.72
  Inner5 w6: v1(10762.96,5811.3) 10780.54,5828.88 10780.54,6013.63 10820.14,6053.23 10820.14,6097.49 10889.76,6167.12 v1(10889.76,6251.97)
  Bottom Layer w6: R2.2@8031.5,3373.23 8031.5,3375.2 9116.06,4459.76 9478.45,4459.76 10762.96,5744.27 v1(10762.96,5811.3)
  Bottom Layer w10: Q1.1@7977.56,3383.07 8021.65,3383.07 R2.2@8031.5,3373.23
DRV2: Q2.1 R3.2 U7.P15 | length 4477.5
  Top Layer w6: U7.P15@11094.49,6330.71 v1(11110.24,6346.46)
  Inner5 w6: v1(10868.44,5846.46) 10868.44,5914.24 10994.63,6040.43 10994.63,6105.48 11067.26,6178.1 11067.26,6263.45 11059.31,6271.4 11059.31,6295.53 v1(11110.24,6346.46)
  Bottom Layer w6: R3.2@8485.62,3241.34 8485.62,3243.31 8498.37,3256.05 8621.88,3379.56 8621.88,3874.53 9142.73,4395.38 9505.12,4395.38 10850.86,5741.13 10850.86,5828.88 v1(10868.44,5846.46)
  Bottom Layer w10: Q2.1@8430.31,3235.43 R3.2@8474.41,3235.43
DRV3: Q3.1 R4.2 U7.T13 | length 4797
  Top Layer w6: U7.T13@11031.5,6267.72 v1(11047.24,6251.97)
  Inner5 w6: v1(10833.28,5846.46) 10833.28,5914.24 10967.35,6048.31 10967.35,6114.38 11012.42,6159.45 11012.42,6217.15 v1(11047.24,6251.97)
  Bottom Layer w6: Q3.1@7977.56,3087.79 7988.53,3098.76 7988.53,3145.27 8097.21,3253.95 8097.21,3386.28 9132.06,4421.13 9494.45,4421.13 10815.7,5742.38 10815.7,5828.88 v1(10833.28,5846.46)
  Bottom Layer w10: Q3.1@7987.81,3077.54 7987.81,3061.4 R4.2@8066.02,2983.19
DRV4: Q4.1 R5.2 U7.R17 | length 4740.7
  Top Layer w6: v1(11141.73,6283.46) U7.R17@11157.48,6299.21
  Inner5 w6: v1(10903.6,5811.3) 10921.18,5828.88 10921.18,5913.61 11033.17,6025.6 11033.17,6088.04 11155.19,6210.06 11155.19,6270.01 v1(11141.73,6283.46)
  Bottom Layer w6: Q4.1@8441.28,2951.13 8441.28,2997.63 8461.61,3017.96 8461.61,3073.27 8549.96,3161.62 8549.96,3253.02 8660.5,3363.56 8660.5,3858.53 9158.73,4356.75 9521.12,4356.75 10903.6,5739.24 v1(10903.6,5811.3)
  Bottom Layer w10: Q4.1@8430.31,2940.16 R5.2@8474.41,2940.16
DRV5: Q5.1 R6.2 U7.R10 | length 5166.7
  Top Layer w6: v1(10921.26,6283.46) U7.R10@10937.01,6299.21
  Inner5 w6: v1(10798.12,5811.3) 10815.7,5828.88 10815.7,6013.63 10914.57,6112.5 10914.57,6217.72 10939.78,6242.92 10939.78,6264.95 v1(10921.26,6283.46)
  Bottom Layer w6: Q5.1@7977.56,2792.52 7979.53,2792.52 8002.09,2815.08 8002.09,2943.33 7964.89,2980.53 7950.51,2980.53 7938.08,2992.95 7938.08,3113.03 8084.33,3259.28 8084.33,3391.61 9126.73,4434.01 9489.12,4434.01 10798.12,5743.01 v1(10798.12,5811.3)
  Bottom Layer w10: Q5.1@7987.81,2782.27 7987.81,2766.13 8066.02,2687.91 8067.99,2687.91 R6.2@8078.74,2677.17